# KiCad board gk.kicad_pcb (continued)
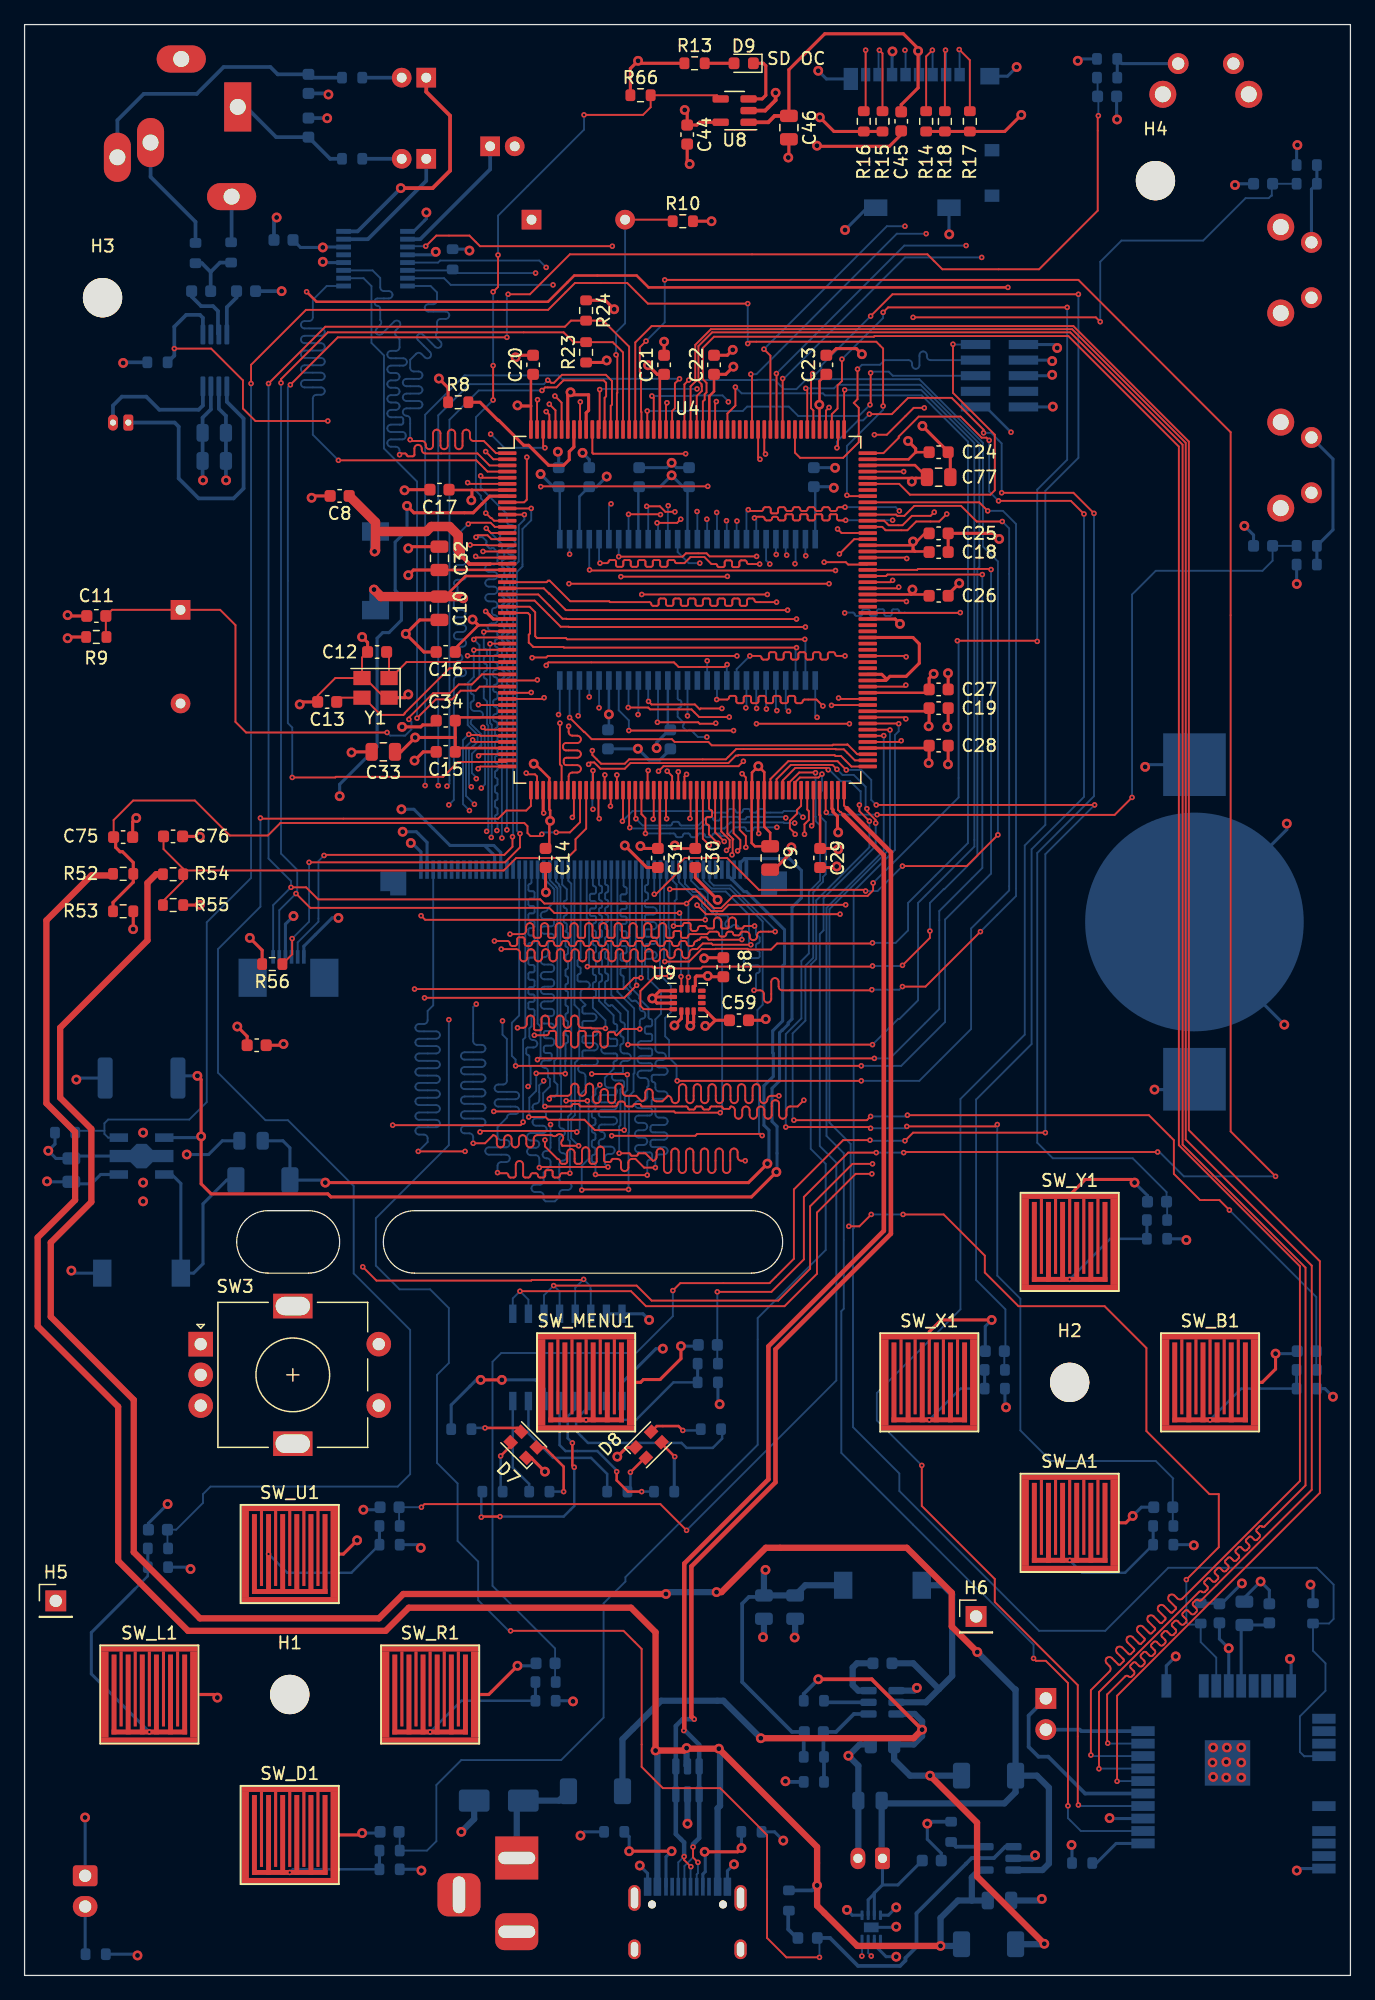
[diagram p0: board, top side]
## Routing (per net, layer and track width the routed paths; a pad name or vN(x,y) marks a point on that pad's centre or on a via; arc(x,y) is an arc through that point) (continued)
LTDC_R4: length 102.5
  Top w0.152: v2(43.59,101.9) 43.59,98.55 43.72,98.41 U4.58
  In3.Cu w0.152: v2(43.59,101.9) 43.8,101.69 43.8,101.3 arc(43.71,101.08) 43.5,101 43.1,101 arc(42.89,100.91) 42.8,100.7 arc(42.89,100.48) 43.1,100.4 43.5,100.4 arc(43.71,100.31) 43.8,100.1 arc(43.71,99.88) 43.5,99.8 43.1,99.8 arc(42.89,99.71) 42.8,99.5 arc(42.89,99.28) 43.1,99.2 43.5,99.2 arc(43.71,99.11) 43.8,98.9 arc(43.71,98.68) 43.5,98.6 43.1,98.6 arc(42.89,98.51) 42.8,98.3 arc(42.89,98.08) 43.1,98 43.5,98 arc(43.71,97.91) 43.8,97.7 arc(43.71,97.48) 43.5,97.4 43.1,97.4 arc(42.89,97.31) 42.8,97.1 arc(42.89,96.88) 43.1,96.8 43.5,96.8 arc(43.71,96.71) 43.8,96.5 arc(43.71,96.28) 43.5,96.2 43.1,96.2 arc(42.89,96.11) 42.8,95.9 arc(42.89,95.68) 43.1,95.6 43.5,95.6 arc(43.71,95.51) 43.8,95.3 arc(43.71,95.08) 43.5,95 43.45,95 arc(43.24,94.91) 43.15,94.7 arc(43.24,94.48) 43.45,94.4 43.5,94.4 arc(43.71,94.31) 43.8,94.1 43.8,92.66 43.55,92.41 43.55,90.83 arc(43.6,90.71) 43.72,90.66 arc(43.84,90.61) 43.89,90.49 43.89,90.23 arc(43.84,90.11) 43.72,90.06 42.85,90.06 arc(42.64,89.97) 42.55,89.76 arc(42.64,89.54) 42.85,89.46 43.72,89.46 arc(43.84,89.41) 43.89,89.28 43.89,89.03 arc(43.84,88.91) 43.72,88.86 43.3,88.86 arc(43.13,88.78) 43.05,88.61 43.05,88.5 arc(43.13,88.33) 43.3,88.26 43.72,88.26 arc(43.84,88.21) 43.89,88.08 43.89,87.83 arc(43.84,87.71) 43.72,87.66 43.05,87.66 arc(42.84,87.57) 42.75,87.36 arc(42.84,87.14) 43.05,87.06 43.72,87.06 arc(43.84,87.01) 43.89,86.88 43.89,86.63 arc(43.84,86.51) 43.72,86.46 43.05,86.46 arc(42.84,86.37) 42.75,86.16 arc(42.84,85.94) 43.05,85.86 43.72,85.86 arc(43.84,85.81) 43.89,85.68 43.89,85.43 arc(43.84,85.31) 43.72,85.26 43.4,85.26 arc(43.3,85.21) 43.25,85.11 43.25,84.8 arc(43.3,84.7) 43.4,84.66 43.72,84.66 arc(43.84,84.61) 43.89,84.48 43.89,84.23 arc(43.84,84.11) 43.72,84.06 43.4,84.06 arc(43.3,84.01) 43.25,83.91 43.25,83.6 arc(43.3,83.5) 43.4,83.46 43.72,83.46 arc(43.84,83.41) 43.89,83.28 43.89,83.03 arc(43.84,82.91) 43.72,82.86 43.4,82.86 arc(43.3,82.81) 43.25,82.71 43.25,82.4 arc(43.3,82.3) 43.4,82.26 43.72,82.26 arc(43.84,82.21) 43.89,82.08 43.89,81.83 arc(43.84,81.71) 43.72,81.66 43.4,81.66 arc(43.3,81.61) 43.25,81.51 43.25,81.2 arc(43.3,81.1) 43.4,81.06 43.72,81.06 arc(43.84,81.01) 43.89,80.88 43.89,80.63 arc(43.84,80.51) 43.72,80.46 43.4,80.46 arc(43.3,80.41) 43.25,80.31 43.25,80 arc(43.3,79.9) 43.4,79.86 43.72,79.86 arc(43.84,79.81) 43.89,79.68 43.89,79.43 arc(43.84,79.31) 43.72,79.26 43.4,79.26 arc(43.3,79.21) 43.25,79.11 43.25,78.8 arc(43.3,78.7) 43.4,78.66 43.72,78.66 arc(43.84,78.61) 43.89,78.48 43.89,78.23 arc(43.84,78.11) 43.72,78.06 43.4,78.06 arc(43.3,78.01) 43.25,77.91 43.25,77.6 arc(43.3,77.5) 43.4,77.46 43.72,77.46 arc(43.84,77.41) 43.89,77.28 43.89,77.03 arc(43.84,76.91) 43.72,76.86 43.4,76.86 arc(43.3,76.81) 43.25,76.71 43.25,76.4 arc(43.3,76.3) 43.4,76.26 arc(43.5,76.21) 43.55,76.11 43.55,73.8 43.39,73.64 43.39,73.11 43.55,72.95 43.55,71.38 43.28,71.12 43.28,70.92 arc(43.2,70.7) 42.98,70.62 arc(42.77,70.53) 42.68,70.32 arc(42.77,70.1) 42.98,70.02 arc(43.2,69.93) 43.28,69.72 43.28,69.7 v2(42.82,69.24)
  Bottom w0.152: J3.32 43.27,89.03 43.53,88.77 43.53,88.67 43.63,88.57 43.63,73.21 43.68,73.16 43.68,69.79 43.54,69.65 43.54,69.14 arc(43.6,68.98) 43.76,68.91 arc(43.92,68.85) 43.99,68.69 43.99,68.54 arc(43.92,68.38) 43.76,68.31 arc(43.6,68.25) 43.54,68.09 43.54,67.21 arc(43.62,67) 43.84,66.91 arc(44.05,66.82) 44.14,66.61 arc(44.05,66.4) 43.84,66.31 arc(43.62,66.22) 43.54,66.01 43.54,64.82 arc(43.62,64.61) 43.84,64.52 44.24,64.52 arc(44.45,64.43) 44.54,64.22 arc(44.45,64.01) 44.24,63.92 43.84,63.92 arc(43.62,63.83) 43.54,63.62 43.54,63.35 43.18,62.99 42.42,62.99 42.27,63.14 42.27,63.45 arc(42.18,63.66) 41.97,63.75 41.57,63.75 arc(41.35,63.84) 41.27,64.05 arc(41.35,64.26) 41.57,64.35 41.97,64.35 arc(42.18,64.44) 42.27,64.65 42.27,65.33 42.82,65.89 42.82,66.19 arc(42.74,66.4) 42.52,66.49 42.47,66.49 arc(42.26,66.58) 42.17,66.79 arc(42.26,67) 42.47,67.09 42.52,67.09 arc(42.74,67.18) 42.82,67.39 v2(42.82,69.24)
LTDC_R5: length 104.1
  Top w0.152: v2(42.72,71.32) 42.72,71.48 42.82,71.58 44.2,71.58 arc(44.41,71.67) 44.5,71.88 44.5,72.28 arc(44.58,72.49) 44.8,72.58 arc(45.01,72.49) 45.1,72.28 45.1,71.88 arc(45.18,71.67) 45.4,71.58 arc(45.61,71.67) 45.7,71.88 45.7,72.28 arc(45.78,72.49) 46,72.58 arc(46.21,72.49) 46.3,72.28 46.3,71.28 arc(46.38,71.07) 46.6,70.98 arc(46.81,71.07) 46.9,71.28 46.9,71.85 arc(46.98,72.05) 47.17,72.13 47.22,72.13 arc(47.42,72.05) 47.5,71.85 47.5,71.28 arc(47.58,71.07) 47.8,70.98 arc(48.01,71.07) 48.1,71.28 48.1,72.28 arc(48.18,72.49) 48.4,72.58 arc(48.61,72.49) 48.7,72.28 48.7,71.88 arc(48.78,71.67) 49,71.58 49.8,71.58 50.24,71.13 arc(50.45,71.22) 50.54,71.43 50.54,71.83 arc(50.63,72.04) 50.84,72.13 arc(51.05,72.04) 51.14,71.83 51.14,71.43 arc(51.23,71.22) 51.44,71.13 51.93,71.13 52.37,71.58 arc(52.59,71.49) 52.67,71.28 arc(52.76,71.07) 52.97,70.98 arc(53.19,71.07) 53.27,71.28 53.27,72.23 arc(53.36,72.44) 53.57,72.53 arc(53.79,72.44) 53.87,72.23 53.87,71.28 arc(53.96,71.07) 54.17,70.98 arc(54.39,71.07) 54.47,71.28 54.47,72.23 arc(54.56,72.44) 54.77,72.53 arc(54.99,72.44) 55.07,72.23 55.07,71.28 arc(55.16,71.07) 55.37,70.98 arc(55.59,71.07) 55.67,71.28 55.67,72.23 arc(55.76,72.44) 55.97,72.53 arc(56.19,72.44) 56.27,72.23 56.27,71.28 arc(56.36,71.07) 56.57,70.98 arc(56.79,71.07) 56.87,71.28 56.87,72.23 arc(56.96,72.44) 57.17,72.53 arc(57.39,72.44) 57.47,72.23 57.47,71.28 arc(57.56,71.07) 57.77,70.98 arc(57.99,71.07) 58.07,71.28 58.07,72.23 arc(58.16,72.44) 58.37,72.53 arc(58.59,72.44) 58.67,72.23 58.67,71.28 arc(58.76,71.07) 58.97,70.98 arc(59.19,71.07) 59.27,71.28 59.27,72.23 arc(59.36,72.44) 59.57,72.53 arc(59.79,72.44) 59.87,72.23 59.87,71.28 arc(59.96,71.07) 60.17,70.98 arc(60.39,71.07) 60.47,71.28 arc(60.56,71.49) 60.77,71.58 v2(61.42,71.58) ; U4.97 63.22,95.18 62.89,94.84 62.89,94.54 62.31,93.96 62.31,93.34 62.74,92.91 v2(62.74,92.86)
  In3.Cu w0.152: v2(62.74,92.86) 63.2,92.41 63.2,91.19 62.74,90.73 62.74,90.07 arc(62.65,89.86) 62.44,89.77 62.11,89.77 arc(61.9,89.68) 61.81,89.47 arc(61.9,89.26) 62.11,89.17 62.44,89.17 arc(62.65,89.08) 62.74,88.87 arc(62.65,88.66) 62.44,88.57 62.11,88.57 arc(61.9,88.48) 61.81,88.27 arc(61.9,88.06) 62.11,87.97 62.44,87.97 arc(62.65,87.88) 62.74,87.67 arc(62.65,87.46) 62.44,87.37 62.11,87.37 arc(61.9,87.28) 61.81,87.07 arc(61.9,86.86) 62.11,86.77 62.44,86.77 arc(62.65,86.68) 62.74,86.47 arc(62.65,86.26) 62.44,86.17 62.11,86.17 arc(61.9,86.08) 61.81,85.87 arc(61.9,85.66) 62.11,85.57 62.44,85.57 arc(62.65,85.48) 62.74,85.27 arc(62.65,85.06) 62.44,84.97 62.11,84.97 arc(61.9,84.88) 61.81,84.67 arc(61.9,84.46) 62.11,84.37 62.94,84.37 arc(63.09,84.31) 63.15,84.16 63.15,83.97 arc(63.09,83.83) 62.94,83.77 62.11,83.77 arc(61.9,83.68) 61.81,83.47 arc(61.9,83.26) 62.11,83.17 62.94,83.17 arc(63.09,83.11) 63.15,82.96 63.15,82.77 arc(63.09,82.63) 62.94,82.57 62.11,82.57 arc(61.9,82.48) 61.81,82.27 arc(61.9,82.06) 62.11,81.97 62.94,81.97 arc(63.09,81.91) 63.15,81.76 63.15,81.57 arc(63.09,81.43) 62.94,81.37 62.11,81.37 arc(61.9,81.28) 61.81,81.07 arc(61.9,80.86) 62.11,80.77 62.44,80.77 arc(62.65,80.68) 62.74,80.47 62.74,72.19 62.18,71.63 61.47,71.63 v2(61.42,71.58)
  Bottom w0.152: J3.33 42.77,89.11 43.29,88.6 43.29,88.57 43.38,88.47 43.38,74.68 43.13,74.42 43.13,72.75 43.38,72.49 43.38,71.73 43.16,71.51 42.91,71.51 v2(42.72,71.32)
LTDC_R6: length 104.2
  Top w0.152: U4.98 63.72,94.87 63.86,94.74 63.86,94.03 63.5,93.68 v2(63.5,92.86) ; v2(42.37,70.71) 44.48,70.71 arc(44.55,70.74) 44.58,70.81 arc(44.61,70.88) 44.68,70.91 45.08,70.91 arc(45.15,70.88) 45.18,70.81 arc(45.21,70.74) 45.28,70.71 48.08,70.71 arc(48.22,70.77) 48.28,70.91 arc(48.34,71.06) 48.48,71.11 48.68,71.11 arc(48.82,71.06) 48.88,70.91 arc(48.94,70.77) 49.08,70.71 49.48,70.71 arc(49.55,70.74) 49.58,70.81 arc(49.61,70.88) 49.68,70.91 50.08,70.91 arc(50.15,70.88) 50.18,70.81 arc(50.21,70.74) 50.28,70.71 53.88,70.71 arc(53.97,70.68) 54.01,70.59 arc(54.04,70.5) 54.13,70.46 54.48,70.46 arc(54.57,70.5) 54.61,70.59 arc(54.64,70.68) 54.73,70.71 55.08,70.71 arc(55.17,70.68) 55.21,70.59 arc(55.24,70.5) 55.33,70.46 55.68,70.46 arc(55.77,70.5) 55.81,70.59 arc(55.84,70.68) 55.93,70.71 56.73,70.71 arc(56.8,70.68) 56.83,70.61 arc(56.86,70.54) 56.93,70.51 57.33,70.51 arc(57.4,70.54) 57.43,70.61 arc(57.46,70.68) 57.53,70.71 arc(57.74,70.63) 57.83,70.41 57.83,70.01 arc(57.92,69.8) 58.13,69.71 arc(58.34,69.8) 58.43,70.01 58.43,70.41 arc(58.52,70.63) 58.73,70.71 arc(58.94,70.63) 59.03,70.41 59.03,70.01 arc(59.12,69.8) 59.33,69.71 arc(59.54,69.8) 59.63,70.01 59.63,70.41 arc(59.72,70.63) 59.93,70.71 arc(60.14,70.63) 60.23,70.41 60.23,70.01 arc(60.32,69.8) 60.53,69.71 arc(60.74,69.8) 60.83,70.01 60.83,70.96 arc(60.9,71.14) 61.08,71.21 61.18,71.21 arc(61.36,71.14) 61.43,70.96 61.43,70.01 arc(61.52,69.8) 61.73,69.71 arc(61.94,69.8) 62.03,70.01 62.03,70.41 arc(62.12,70.63) 62.33,70.71 62.94,70.71 v2(63.45,71.22)
  In3.Cu w0.152: v2(63.5,92.86) 63.5,91.85 arc(63.59,91.63) 63.8,91.55 64.2,91.55 arc(64.41,91.46) 64.5,91.25 arc(64.41,91.03) 64.2,90.95 63.38,90.95 arc(63.29,90.91) 63.25,90.82 63.25,90.47 arc(63.29,90.38) 63.38,90.35 64.2,90.35 arc(64.41,90.26) 64.5,90.05 arc(64.41,89.83) 64.2,89.75 63.25,89.75 arc(63.08,89.67) 63,89.5 63,89.4 arc(63.08,89.22) 63.25,89.15 64.2,89.15 arc(64.41,89.06) 64.5,88.85 arc(64.41,88.63) 64.2,88.55 63.25,88.55 arc(63.08,88.47) 63,88.3 63,88.2 arc(63.08,88.02) 63.25,87.95 64.2,87.95 arc(64.41,87.86) 64.5,87.65 arc(64.41,87.43) 64.2,87.35 63.25,87.35 arc(63.08,87.27) 63,87.1 63,87 arc(63.08,86.82) 63.25,86.75 64.2,86.75 arc(64.41,86.66) 64.5,86.45 arc(64.41,86.23) 64.2,86.15 63.25,86.15 arc(63.08,86.07) 63,85.9 63,85.8 arc(63.08,85.62) 63.25,85.55 64.2,85.55 arc(64.41,85.46) 64.5,85.25 arc(64.41,85.03) 64.2,84.95 63.8,84.95 arc(63.59,84.86) 63.5,84.65 63.5,71.27 v2(63.45,71.22)
  Bottom w0.152: v2(42.37,70.71) 42.22,70.86 42.22,71.79 42.77,72.34 42.77,72.95 42.62,73.1 42.62,73.58 arc(42.54,73.78) 42.35,73.86 arc(42.15,73.94) 42.07,74.13 42.07,74.18 arc(42.15,74.38) 42.35,74.46 42.77,74.46 arc(42.88,74.5) 42.92,74.61 42.92,74.91 arc(42.88,75.02) 42.77,75.06 42.45,75.06 arc(42.32,75.11) 42.27,75.23 42.27,75.48 arc(42.32,75.61) 42.45,75.66 42.87,75.66 arc(43.05,75.73) 43.12,75.91 43.12,76.01 arc(43.05,76.19) 42.87,76.26 42.45,76.26 arc(42.32,76.31) 42.27,76.43 42.27,76.68 arc(42.32,76.81) 42.45,76.86 42.87,76.86 arc(43.05,76.93) 43.12,77.11 43.12,77.21 arc(43.05,77.39) 42.87,77.46 42.32,77.46 arc(42.11,77.55) 42.02,77.76 arc(42.11,77.97) 42.32,78.06 42.87,78.06 arc(43.05,78.13) 43.12,78.31 43.12,78.41 arc(43.05,78.59) 42.87,78.66 42.32,78.66 arc(42.11,78.75) 42.02,78.96 arc(42.11,79.17) 42.32,79.26 42.87,79.26 arc(43.05,79.33) 43.12,79.51 43.12,79.61 arc(43.05,79.79) 42.87,79.86 42.32,79.86 arc(42.11,79.95) 42.02,80.16 arc(42.11,80.37) 42.32,80.46 42.87,80.46 arc(43.05,80.53) 43.12,80.71 43.12,80.81 arc(43.05,80.99) 42.87,81.06 42.32,81.06 arc(42.11,81.15) 42.02,81.36 arc(42.11,81.57) 42.32,81.66 42.87,81.66 arc(43.05,81.73) 43.12,81.91 43.12,82.01 arc(43.05,82.19) 42.87,82.26 42.32,82.26 arc(42.11,82.35) 42.02,82.56 arc(42.11,82.77) 42.32,82.86 arc(42.53,82.95) 42.62,83.16 42.62,83.92 arc(42.69,84.09) 42.87,84.17 arc(43.05,84.24) 43.12,84.42 43.12,84.52 arc(43.05,84.69) 42.87,84.77 42.32,84.77 arc(42.11,84.86) 42.02,85.07 arc(42.11,85.28) 42.32,85.37 42.87,85.37 arc(43.05,85.44) 43.12,85.62 43.12,85.72 arc(43.05,85.89) 42.87,85.97 42.32,85.97 arc(42.11,86.06) 42.02,86.27 arc(42.11,86.48) 42.32,86.57 arc(42.53,86.66) 42.62,86.87 43.13,87.38 43.13,88.38 43.04,88.47 43.04,88.5 42.27,89.27 J3.34
LTDC_R7: length 96.3
  Top w0.152: v2(41.76,74.52) 41.86,74.63 v2(69.19,74.63) ; v2(77.98,114) 70.26,114 70.14,113.88 U4.136
  Bottom w0.152: J3.35 41.77,77.46 42.01,77.22 42.01,74.78 v2(41.76,74.52) ; v2(77.98,114) 77.98,90.12 74.47,86.61 74.47,78.64 70.46,74.63 v2(69.19,74.63)
LTDC_VSYNC: length 96.4
  Top w0.152: v2(29.97,69.19) 40.39,69.19 40.59,69.39 v2(40.59,69.44) ; U4.13 38.28,117.88 37.95,118.21 36.23,118.21 v2(36.13,118.11)
  In3.Cu w0.152: v2(29.97,69.19) 29.97,73.25 32.41,75.69 32.41,78.79 33.02,79.4 33.02,84.38 34.75,86.11 34.75,94.28 34.54,94.49 v2(34.54,95.25)
  Bottom w0.152: v2(36.13,118.11) 35.1,117.09 35.1,116.62 34.95,116.47 34.95,115.67 arc(35.04,115.46) 35.25,115.37 35.65,115.37 arc(35.86,115.28) 35.95,115.07 arc(35.86,114.86) 35.65,114.77 35.25,114.77 arc(35.04,114.68) 34.95,114.47 arc(35.04,114.26) 35.25,114.17 35.65,114.17 arc(35.86,114.08) 35.95,113.87 arc(35.86,113.66) 35.65,113.57 35.25,113.57 arc(35.04,113.48) 34.95,113.27 arc(34.99,113.17) 35.1,113.12 arc(35.21,113.08) 35.25,112.97 35.25,112.67 arc(35.21,112.57) 35.1,112.52 arc(34.99,112.48) 34.95,112.37 34.95,111.42 arc(35.04,111.21) 35.25,111.12 35.6,111.12 arc(35.81,111.03) 35.9,110.82 arc(35.81,110.61) 35.6,110.52 35.25,110.52 arc(35.04,110.43) 34.95,110.22 arc(35.04,110.01) 35.25,109.92 35.65,109.92 arc(35.86,109.83) 35.95,109.62 arc(35.86,109.41) 35.65,109.32 35.25,109.32 arc(35.04,109.23) 34.95,109.02 arc(35.04,108.81) 35.25,108.72 35.65,108.72 arc(35.86,108.63) 35.95,108.42 arc(35.86,108.21) 35.65,108.12 35.25,108.12 arc(35.04,108.03) 34.95,107.82 arc(35.04,107.61) 35.25,107.52 35.35,107.52 arc(35.56,107.43) 35.65,107.22 arc(35.56,107.01) 35.35,106.92 35.25,106.92 arc(35.04,106.83) 34.95,106.62 arc(35.04,106.41) 35.25,106.32 35.65,106.32 arc(35.86,106.23) 35.95,106.02 arc(35.86,105.81) 35.65,105.72 35.25,105.72 arc(35.04,105.63) 34.95,105.42 34.95,95.66 v2(34.54,95.25) ; v2(40.59,69.44) 40.59,76.15 40.77,76.33 J3.37
NRST: length 151.5
  Top w0.152: 6.67,108.92 6.62,108.97 C11.1 7.12,111.13 SW1.1 15.93,111.13 17.17,109.88 17.17,102.01 18.03,101.14 v2(29.51,101.14) ; U4.37 37.24,105.88 36.42,105.05 35.36,105.05 34.65,104.34 33.28,104.34 31.29,102.36 v2(31.29,102.21)
  Top w0.203: v2(22.96,137.01) 23.77,136.19 42.62,136.19 44.75,138.33 49.83,138.33 50.8,137.36 v2(80.06,137.36)
  In3.Cu w0.203: SW1.1 12.7,112.12 23.72,123.14 23.72,136.25 v2(22.96,137.01) ; v2(80.06,137.36) 80.31,137.11 v2(80.31,125.58)
  Bottom w0.152: v2(29.51,101.14) 29.77,100.89 30.99,100.89 31.5,101.4 31.5,102.01 v2(31.29,102.21)
  Bottom w0.203: v2(80.31,125.58) 78.26,127.64 J8.10
NTC_MCU: length 131.6
  Top w0.152: v2(44.6,94.23) 44.72,94.36 U4.60
  In3.Cu w0.152: v2(44.6,94.23) 44.6,74.73 45.01,74.32 45.01,72.03 44.6,71.63 44.6,69.65 41.5,66.55 31.6,66.55 28.04,62.99 28.04,58.22 32.36,53.9 32.36,40.79 29.87,38.3 29.87,30.23 27.23,27.58 27.23,20.83 22.71,16.31 22.71,6.91 20.32,4.52 5.99,4.52 5.94,4.47 4.93,5.48 J11.2
  Bottom w0.25: R57.1 4.93,1.76 J11.2
PCM_DEMP: length 25.6
  Top w0.152: U4.204 43.22,127.36 v2(42.72,127.86)
  In3.Cu w0.152: v2(42.72,127.86) 42.72,128.63 43.38,129.29 43.38,136.04 42.47,136.96 v2(42.47,138.99)
  Bottom w0.152: U7.13 33.67,139.38 33.83,139.55 41.91,139.55 v2(42.47,138.99)
PCM_FMT: length 24.6
  Top w0.152: U4.203 43.72,127.98 v2(43.18,128.52)
  In3.Cu w0.152: v2(43.18,128.52) 43.79,129.13 43.79,136.8 v2(43.03,137.57)
  Bottom w0.152: v2(43.03,137.57) 34.7,137.57 34.15,138.11 U7.15
PCM_MUTE: length 24.5
  Top w0.152: U4.205 42.72,127 v2(42.47,127.25)
  In3.Cu w0.152: v2(41.61,138.53) 41.61,136.09 43.08,134.62 43.08,129.38 42.27,128.56 42.27,127.46 v2(42.47,127.25)
  Bottom w0.152: v2(41.61,138.53) 35.14,138.53 R19.2 34.77,138.75 U7.14
PCM_ZERO: length 66.4
  Top w0.152: v2(47.85,140.72) 37.08,140.72 36.22,141.58 33.53,141.58 v2(32.66,140.72) ; v2(47.24,97.69) 47.22,97.67 U4.65
  In3.Cu w0.152: v2(47.85,140.72) 49.17,139.4 49.17,131.37 48.56,130.76 48.56,124.61 46.69,122.73 46.28,122.73 45.21,121.67 45.21,113.59 45.36,113.44 45.36,103.58 45.62,103.33 45.62,102.16 45.16,101.7 45.16,98.3 46.02,97.43 46.99,97.43 v2(47.24,97.69)
  Bottom w0.152: U7.11 31.24,140.72 v2(32.66,140.72)
SAI1_FS_A: length 47.6
  Top w0.152: U4.3 37.86,122.88 36.88,123.85 32.64,123.85 arc(32.43,123.94) 32.34,124.15 32.34,124.25 arc(32.25,124.47) 32.04,124.55 arc(31.83,124.47) 31.74,124.25 31.74,123.73 arc(31.7,123.65) 31.62,123.62 31.22,123.62 arc(31.14,123.65) 31.1,123.73 arc(31.07,123.82) 30.99,123.85 30.63,123.85 v2(30.53,123.75)
  Bottom w0.152: 25.97,138.75 28.33,138.75 28.96,138.13 28.96,137.36 arc(29.04,137.15) 29.26,137.06 29.66,137.06 arc(29.87,136.98) 29.96,136.76 arc(29.87,136.55) 29.66,136.46 28.73,136.46 arc(28.57,136.4) 28.51,136.24 28.51,136.09 arc(28.57,135.93) 28.73,135.86 arc(28.89,135.8) 28.96,135.64 28.96,134.72 arc(29.04,134.51) 28.96,134.3 28.67,134.01 arc(28.59,133.8) 28.67,133.59 arc(28.89,133.5) 29.1,133.59 30.09,134.58 arc(30.3,134.67) 30.51,134.58 arc(30.6,134.37) 30.51,134.16 30.23,133.87 arc(30.14,133.66) 30.23,133.45 30.53,133.15 30.53,132.5 arc(30.44,132.28) 30.23,132.2 29.83,132.2 arc(29.62,132.11) 29.53,131.9 arc(29.62,131.68) 29.83,131.6 30.83,131.6 arc(31.04,131.51) 31.13,131.3 arc(31.04,131.08) 30.83,131 29.83,131 arc(29.62,130.91) 29.53,130.7 arc(29.62,130.48) 29.83,130.4 30.23,130.4 arc(30.44,130.31) 30.53,130.1 arc(30.44,129.88) 30.23,129.8 29.83,129.8 arc(29.62,129.71) 29.53,129.5 arc(29.62,129.28) 29.83,129.2 30.23,129.2 arc(30.44,129.11) 30.53,128.9 arc(30.44,128.68) 30.23,128.6 29.83,128.6 arc(29.62,128.51) 29.53,128.3 arc(29.62,128.08) 29.83,128 30.23,128 arc(30.44,127.91) 30.53,127.7 arc(30.44,127.48) 30.23,127.4 29.83,127.4 arc(29.62,127.31) 29.53,127.1 arc(29.62,126.88) 29.83,126.8 30.68,126.8 arc(30.79,126.75) 30.83,126.65 30.83,126.35 arc(30.79,126.24) 30.68,126.2 29.83,126.2 arc(29.62,126.11) 29.53,125.9 arc(29.62,125.68) 29.83,125.6 30.78,125.6 arc(30.96,125.52) 31.03,125.35 31.03,125.25 arc(30.96,125.07) 30.78,125 29.83,125 arc(29.62,124.91) 29.53,124.7 arc(29.62,124.48) 29.83,124.4 30.23,124.4 arc(30.44,124.31) 30.53,124.1 v2(30.53,123.75)
SAI1_MCLK_A: length 47.6
  Top w0.152: U4.1 38.38,123.88 37.39,124.87 36.56,124.87 arc(36.35,124.95) 36.26,125.17 36.26,125.49 arc(36.17,125.7) 35.96,125.79 arc(35.75,125.7) 35.66,125.49 35.66,124.49 arc(35.57,124.28) 35.36,124.19 arc(35.15,124.28) 35.06,124.49 35.06,125.49 arc(34.97,125.7) 34.76,125.79 arc(34.55,125.7) 34.46,125.49 34.46,124.49 arc(34.37,124.28) 34.16,124.19 arc(33.95,124.28) 33.86,124.49 33.86,125.49 arc(33.77,125.7) 33.56,125.79 arc(33.35,125.7) 33.26,125.49 33.26,124.49 arc(33.17,124.28) 32.96,124.19 arc(32.75,124.28) 32.66,124.49 32.66,124.57 arc(32.57,124.78) 32.36,124.87 31.5,124.87 v2(31.39,124.97)
  Bottom w0.152: U7.16 33.06,137.48 33.58,136.96 33.58,136.3 arc(33.49,136.08) 33.28,136 32.88,136 arc(32.67,135.91) 32.58,135.7 arc(32.67,135.48) 32.88,135.4 34.28,135.4 arc(34.49,135.31) 34.58,135.1 arc(34.49,134.88) 34.28,134.8 33.88,134.8 arc(33.67,134.71) 33.58,134.5 33.58,133.65 arc(33.49,133.44) 33.58,133.23 33.86,132.95 arc(33.95,132.74) 33.86,132.52 arc(33.65,132.44) 33.44,132.52 32.45,133.51 arc(32.24,133.6) 32.02,133.51 arc(31.94,133.3) 32.02,133.09 33.01,132.1 arc(33.1,131.89) 33.01,131.67 arc(32.8,131.59) 32.59,131.67 32.31,131.96 arc(32.09,132.05) 31.88,131.96 31.39,131.47 31.39,130.82 arc(31.48,130.61) 31.69,130.52 32.09,130.52 arc(32.31,130.43) 32.39,130.22 arc(32.31,130.01) 32.09,129.92 31.09,129.92 arc(30.88,129.83) 30.79,129.62 arc(30.88,129.41) 31.09,129.32 32.09,129.32 arc(32.31,129.23) 32.39,129.02 arc(32.31,128.81) 32.09,128.72 31.09,128.72 arc(30.88,128.63) 30.79,128.42 arc(30.88,128.21) 31.09,128.12 32.09,128.12 arc(32.31,128.03) 32.39,127.82 arc(32.31,127.61) 32.09,127.52 31.09,127.52 arc(30.88,127.43) 30.79,127.22 arc(30.88,127.01) 31.09,126.92 arc(31.31,126.83) 31.39,126.62 v2(31.39,124.97)
SAI1_SCK_A: length 47.6
  Top w0.152: v2(25.55,123.29) 36.78,123.29 37.7,122.38 U4.4
  Bottom w0.152: 25.97,137.48 24.6,137.48 23.47,136.35 23.47,134.92 arc(23.38,134.71) 23.17,134.62 22.8,134.62 arc(22.58,134.54) 22.5,134.32 arc(22.58,134.11) 22.8,134.02 24.14,134.02 arc(24.35,133.94) 24.44,133.72 arc(24.35,133.51) 24.14,133.42 22.8,133.42 arc(22.58,133.34) 22.5,133.12 arc(22.58,132.91) 22.8,132.82 24.14,132.82 arc(24.35,132.74) 24.44,132.52 arc(24.35,132.31) 24.14,132.22 22.8,132.22 arc(22.58,132.14) 22.5,131.92 arc(22.58,131.71) 22.8,131.62 24.14,131.62 arc(24.35,131.54) 24.44,131.32 arc(24.35,131.11) 24.14,131.02 22.8,131.02 arc(22.58,130.94) 22.5,130.72 arc(22.58,130.51) 22.8,130.42 24.14,130.42 arc(24.35,130.34) 24.44,130.12 arc(24.35,129.91) 24.14,129.82 22.8,129.82 arc(22.58,129.74) 22.5,129.52 arc(22.58,129.31) 22.8,129.22 24.14,129.22 arc(24.35,129.14) 24.44,128.92 arc(24.35,128.71) 24.14,128.62 23.77,128.62 arc(23.56,128.54) 23.47,128.32 23.47,125.37 v2(25.55,123.29)
SAI1_SD_A: length 47.6
  Top w0.152: U4.39 37.06,104.88 36.73,104.55 35.51,104.55 34.8,103.84 33.48,103.84 v2(31.95,102.31)
  Bottom w0.152: v2(31.95,102.31) 31.95,121.56 29.26,124.26 29.26,131.83 28.24,132.84 28.24,137.46 27.6,138.11 25.97,138.11
SD_PWR: length 50.9
  Top w0.152: U4.12 38.23,118.38 38,118.6 37.95,118.6 v2(37.55,119) ; v2(38.15,137) 38.55,137.4 v2(38.55,140) ; v2(45.55,151.4) 50.35,151.4 50.97,152.03 R66.2 56.38,153 U8.4 ; v2(38.15,128.2) v2(38.15,131)
  Bottom w0.152: v2(38.15,128.2) 36.75,126.8 36.75,124 36.74,123.99 36.74,120.81 37.15,120.4 37.15,120.2 37.55,119.8 v2(37.55,119) ; v2(38.55,140) 38.55,143.2 45.55,150.2 v2(45.55,151.4) ; v2(38.15,131) v2(38.15,137)
SDMMC1_CK: length 47.7
  Top w0.152: U4.169 60.72,131.81 v2(60.2,132.33)
  In3.Cu w0.152: v2(71.68,142.34) 71.68,148.76 arc(71.77,148.97) 71.98,149.06 72.28,149.06 arc(72.49,149.15) 72.58,149.36 arc(72.49,149.57) 72.28,149.66 71.08,149.66 arc(70.86,149.75) 70.78,149.96 arc(70.86,150.17) 71.08,150.26 72.28,150.26 arc(72.49,150.35) 72.58,150.56 arc(72.49,150.77) 72.28,150.86 71.08,150.86 arc(70.86,150.95) 70.78,151.16 arc(70.86,151.37) 71.08,151.46 72.28,151.46 arc(72.49,151.55) 72.58,151.76 arc(72.49,151.97) 72.28,152.06 71.08,152.06 arc(70.86,152.15) 70.78,152.36 arc(70.86,152.57) 71.08,152.66 71.38,152.66 arc(71.59,152.75) 71.68,152.96 v2(71.68,156.67)
  Bottom w0.152: v2(71.68,142.34) 70.21,142.34 v2(60.2,132.33) ; J4.5 71.73,156.62 v2(71.68,156.67)
SDMMC1_CMD: length 52.9
  Top w0.152: v2(59.13,130.3) 59.22,130.21 U4.172 ; R14.2 73.41,156.16 v2(73.91,156.67)
  In3.Cu w0.152: v2(73.41,141.73) 73.41,144.94 arc(73.32,145.15) 73.11,145.24 72.85,145.24 arc(72.63,145.33) 72.55,145.54 arc(72.63,145.75) 72.85,145.84 73.97,145.84 arc(74.18,145.93) 74.27,146.14 arc(74.18,146.35) 73.97,146.44 72.85,146.44 arc(72.63,146.53) 72.55,146.74 arc(72.63,146.95) 72.85,147.04 73.97,147.04 arc(74.18,147.13) 74.27,147.34 arc(74.18,147.55) 73.97,147.64 72.85,147.64 arc(72.63,147.73) 72.55,147.94 arc(72.63,148.15) 72.85,148.24 73.11,148.24 arc(73.32,148.33) 73.41,148.54 73.41,156.16 v2(73.91,156.67)
  Bottom w0.152: v2(59.13,130.3) 59.59,130.3 71.02,141.73 v2(73.41,141.73) ; v2(73.91,156.67) 73.93,156.65 J4.3
SDMMC1_D0: length 54.2
  Top w0.152: v2(69.6,156.67) 69.85,156.41 R15.2 ; v2(75.08,118.92) 74.47,118.31 72.59,118.31 71.88,117.6 70.1,117.6 69.83,117.88 U4.144
  In3.Cu w0.152: v2(75.08,118.92) 75.08,135.13 69.6,140.61 v2(69.6,156.67)